# Altium PCB QO100-ADF4351-Ferq-FR4-1.6_V2.61.PcbDoc (part 1 of 2)
Units mm, origin at the board's own origin, x right, y up, seen from the top; angles counter-clockwise.
Board outline 92.08 x 41.15 mm, 2 copper layers (Top Layer, Bottom Layer); 118 components, 37 nets, 354 pads, 687 vias.
Unrouted connection lines stored in the file: 3.
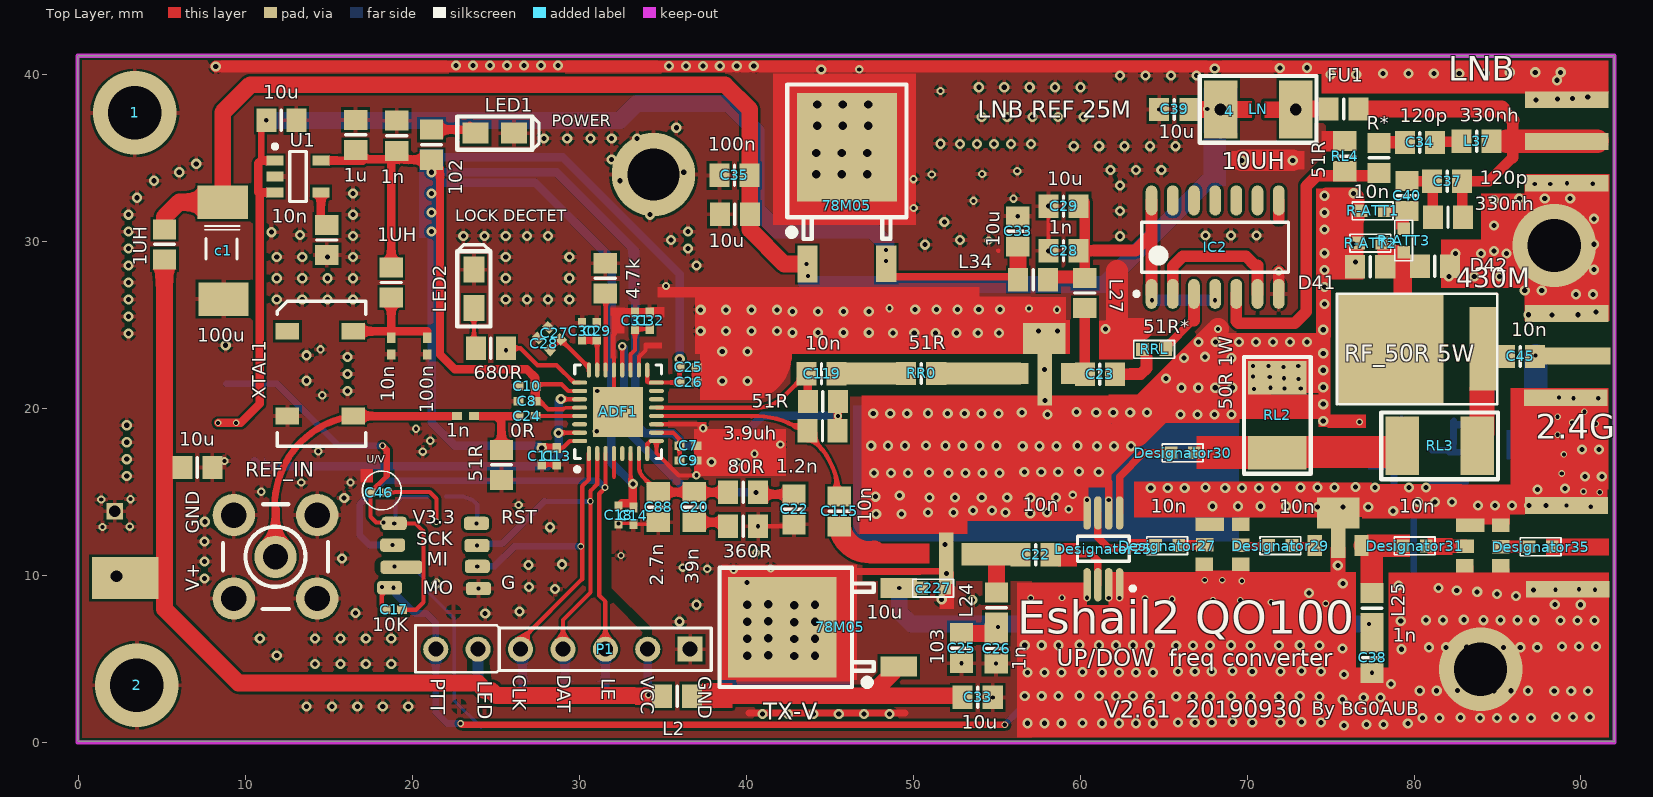
[diagram p0: Top Layer view]
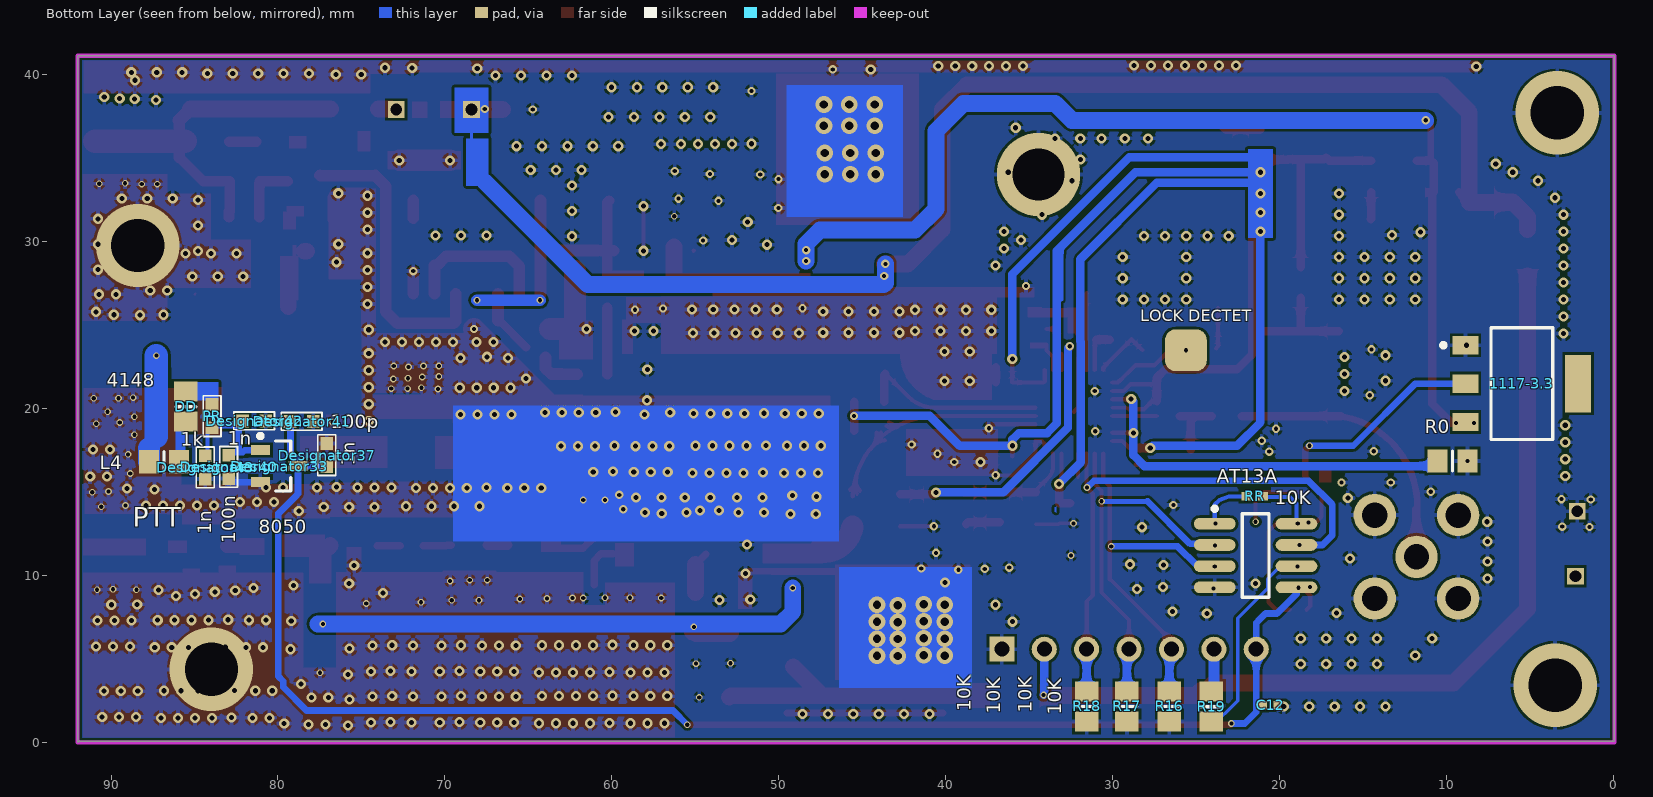
[diagram p1: Bottom Layer view, seen from below]

## Layer stack, top to bottom
Top Layer: signal copper 0.0356
Dielectric: dielectric 0.32, FR-4, Dk 4.8
Bottom Layer: signal copper 0.0356

## Board outline
-0.075,41.148 -0.075,0.077 91.931,0.077 92.008,0 92.008,41.148

## Design rules (kind name [scope] priority, off if disabled: settings)
Clearance [All] p1: gap=0.152
FanoutControl [InNet('GND')] p1: bgadir=Out bgaviamode=Centered fanoutstyle=Auto fanoutdirection=Alternating viagrid=0.025
FanoutControl Fanout_BGA [IsBGA] p2: bgadir=Out bgaviamode=Centered fanoutstyle=Auto fanoutdirection=Alternating viagrid=0.025 // Fanout_BGA (Default Rule)
FanoutControl Fanout_LCC [IsLCC] p3: bgadir=Out bgaviamode=Centered fanoutstyle=Auto fanoutdirection=Alternating viagrid=0.025 // Fanout_LCC (Default Rule)
FanoutControl Fanout_SOIC [IsSOIC] p4: bgadir=Out bgaviamode=Centered fanoutstyle=Auto fanoutdirection=Alternating viagrid=0.025 // Fanout_SOIC (Default Rule)
FanoutControl Fanout_Small [(CompPinCount < 5)] p5: bgadir=Out bgaviamode=Centered fanoutstyle=Auto fanoutdirection=OutThenIn viagrid=0.025 // Fanout_Small (Default Rule)
FanoutControl Fanout_Default [All] p6: bgadir=Out bgaviamode=Centered fanoutstyle=Auto fanoutdirection=Alternating viagrid=0.025 // Fanout_Default (Default Rule)
HoleSize [All] p1: absolutevalues=TRUE maxlimit=5.08 minlimit=0.025 maxpercent=80.000 minpercent=20.000
HoleToHoleClearance [All] p1 off: gap=0.254 allowstackedmicrovias=TRUE
LayerPairs [All] p1 off: enforce=TRUE
MinimumSolderMaskSliver [All] p1 off: minsoldermaskwidth=0.254
NetAntennae [All] p1 off: netantennaetolerance=0
PlaneClearance [All] p1: clearance=0.203
PlaneConnect [All] p1: planeconnectstyle=Relief reliefexpansion=0.152 reliefentries=4 reliefconductorwidth=0.127 reliefairgap=0.152
PolygonConnect [All] p1: connectstyle=Relief reliefconductorwidth=0.254 reliefentries=4 polygonreliefangle="90 Angle"
RoutingVias [All] p1: holewidth=0.254 width=0.508 viastyle="Through Hole" minholewidth=0.254 minwidth=0.508 maxholewidth=1.27 maxwidth=2.54
SilkToSilkClearance [All] p1 off: silktosilkclearance=0.254
SilkscreenOverComponentPads [IsPad] p1 off: minsilkscreentomaskgap=0.254
SolderMaskExpansion [All] p1: expansion=0.102
Width D2V5 [InNet('D2V5')] p1 off: maxlimit=1.524 minlimit=0.381 preferedwidth=0.508
Width D1V2 [InNet('D1V2')] p2 off: maxlimit=1.524 minlimit=0.381 preferedwidth=0.508
Width D3V3 [InNet('D3V3')] p3 off: maxlimit=1.524 minlimit=0.381 preferedwidth=0.508
Width GND [InNet('GND')] p4 off: maxlimit=1.524 minlimit=0.381 preferedwidth=0.508
Width [All] p5: maxlimit=1.524 minlimit=0.152 preferedwidth=0.152
14 further rules are at their usual default settings.

## Classes and differential pairs
component class pll_SW: 1 1n 1UH 1uh 2 3 4 4.7k 10n 51R 80r 100n 102 360R 680R ADF1 c1 C7 C8 C9 C10 C11 C13 C14 C22 C24 C25 C26 C27 C28 C29 C31 C32 C88 C115 L2 led1 LED2 P1 R0 R16 R17 R18 REF_IN RR0 U1 XTAL1

## Components (designator, comment, footprint, x,y, rotation, side; value= is the part's Value field where it differs from the comment)
1 "螺丝孔" 固定过孔 3.354,37.719 r90 top
1n "Cap" "0402 - duplicate"#1 23.166,19.558 r0 top (schematic designator C23)
1n "RES" 6-0805_N 19.058,36.352 r270 top (schematic designator R19)
1u "RES" 6-0805_N 16.583,36.402 r270 top (schematic designator R19)
1UH "Inductor" 6-0805_N 5.132,29.845 r270 top (schematic designator L1)
1UH "磁珠" 6-0805_N 18.721,27.559 r90 top (schematic designator L3)
2 "螺丝孔" 固定过孔 3.481,3.429 r90 top
3 "螺丝孔" 固定过孔 78.43,-42.298 r90 top
3.9uh "22nh" 6-0805_N 44.558,18.677 r180 top (schematic designator R19)
4 "螺丝孔" 固定过孔 68.924,37.808 r90 top
4.7k "RES" 6-0805_N 31.548,27.813 r90 top (schematic designator R2)
10n "Cap" "0402 - duplicate"#1 18.721,23.749 r90 top (schematic designator C15)
10n "RES" 6-0805_N 14.858,30.102 r90 top (schematic designator R19)
10u "RES" 6-0805_N 7.1,16.475 r0 top (schematic designator R19)
10u "RES" 6-0805_N 39.308,31.652 r180 top (schematic designator R19)
10u "RES" 6-0805_N 12.133,37.277 r0 top (schematic designator R19)
51R "RES" 6-0805_N 25.325,16.637 r90 top (schematic designator R9)
51R "51R" 6-0805_N 44.583,20.427 r180 top (schematic designator R19)
78M05 "78M05" LC-TO-252-2 49.133,6.902 r0 top
78M05 "78M05" LC-TO-252-2 46.017,28.671 r270 top
80R "RES" 6-0805_N 39.803,14.986 r180 top (schematic designator R3)
100n "Cap" "0402 - duplicate"#1 20.88,23.749 r90 top (schematic designator C16)
102 "RES" 6-0805_N 21.134,35.814 r270 top (schematic designator R1)
330nh "RES" 6-0805_N 82.033,31.477 r0 top (schematic designator R19)
360R "RES" 6-0805_N 39.803,12.954 r180 top (schematic designator R8)
680R "RES" 6-0805_N 24.69,23.622 r180 top (schematic designator R10)
1117-3.3 "Comment" SOT223 5.475,21.5 r270 bottom
ADF1 "ADF4351" QFN32 32.437,19.812 r90 top locked
AT13A "Comment" SO8_M 21.425,11.2 r180 bottom
c1 "100u" 钽电容C 9.45,29.591 r270 top (schematic designator CAP1)
C7 "10pf" "0402 - duplicate"#1 36.501,17.78 r0 top
C8 "Cap" "0402 - duplicate"#2 26.849,20.447 r180 top
C9 "10n" "0402 - duplicate"#1 36.501,16.891 r0 top
C10 "10n" "0402 - duplicate"#2 26.849,21.336 r180 top
C11 "Cap" "0402 - duplicate"#1 27.738,17.145 r270 top
C12 "Cap" "0402 - duplicate"#1 20.55,2.225 r0 bottom (schematic designator C11)
C13 "Cap" "0402 - duplicate"#1 28.627,17.145 r270 top
C14 "10pf" "0402 - duplicate"#1 33.233,13.577 r90 top
C17 "10K" "0402 - duplicate"#2 18.875,7.95 r0 top (schematic designator C10)
C18 "10n" "0402 - duplicate"#1 32.333,13.627 r90 top (schematic designator C14)
C20 "39n" 6-0805_N 36.882,14.097 r270 top
C22 "1.2n" 6-0805_N 42.851,13.97 r270 top
C22 "10n" 6-0805_N 57.333,11.252 r0 top (schematic designator R19)
C23 "RES" 6-0805_N 61.174,22.063 r0 top (schematic designator R19)
C24 "0R" "0402 - duplicate"#1 26.849,19.558 r0 top
C25 "103" 6-0805_N 52.883,5.652 r90 top (schematic designator R19)
C25 "10pf" "0402 - duplicate"#1 36.501,22.479 r180 top
C26 "1n" 6-0805_N 54.958,5.627 r90 top (schematic designator R19)
C26 "10n" "0402 - duplicate"#1 36.501,21.59 r180 top
C27 "10n" "0402 - duplicate"#1 28.5,24.511 r315 top
C28 "1n" 6-0805_N 58.999,29.458 r0 top (schematic designator R19)
C28 "10pf" "0402 - duplicate"#1 27.865,23.876 r315 top
C29 "10u" 6-0805_N 58.999,32.133 r0 top (schematic designator R19)
C29 "10n" "0402 - duplicate"#1 31.04,24.638 r270 top
C30 "10pf" "0402 - duplicate"#1 30.151,24.638 r270 top
C31 "10pf" "0402 - duplicate"#1 33.326,25.273 r270 top
C32 "10n" "0402 - duplicate"#1 34.215,25.273 r270 top
C33 "10u" 6-0805_N 53.858,2.702 r180 top (schematic designator R19)
C33 "10u" 6-0805_N 56.258,30.627 r90 top (schematic designator R19)
C34 "120p" 6-0805_N 80.35,35.95 r0 top (schematic designator R19)
C35 "100n" 6-0805_N 39.283,33.977 r180 top (schematic designator R19)
C37 "120p" 6-0805_N 81.983,33.627 r180 top (schematic designator R19)
C38 "1n" 6-0805_N 77.483,5.077 r90 top (schematic designator R19)
C39 "10u" 6-0805_N 65.633,37.927 r0 top (schematic designator R19)
C40 "10n" 6-0805_N 79.575,32.75 r270 top (schematic designator R19)
C45 "10n" 6-0805_N 86.358,23.127 r0 top (schematic designator R19)
C46 "Cap" "0402 - duplicate"#2 17.975,14.975 r180 top (schematic designator C10)
C88 "2.7n" 6-0805_N 34.723,14.097 r270 top (schematic designator C18)
C115 "10n" 6-0805_N 45.558,13.852 r270 top (schematic designator R15)
C119 "10n" 6-0805_N 44.502,22.098 r0 top (schematic designator R19)
c227 "10u" 0603_C 51.183,9.252 r180 top
D41 "4148" 6-0805_N 77.375,28.5 r0 top (schematic designator R19)
D42 "4148" 6-0805_N 81.25,28.525 r0 top (schematic designator R19)
DD "4148" 6-0805_N 85.525,20.125 r90 bottom (schematic designator R2)
Designator25 "Comment" MSOP-8 61.383,11.602 r90 top
Designator27 "10n" 0603_C 65.208,11.802 r180 top
Designator29 "10n" 0603_C 71.984,11.802 r180 top
Designator30 "Comment" 0603_C 66.133,17.352 r0 top
Designator31 "10n" 0603_C 80.031,11.777 r180 top
Designator33 "8050" SOT-23B_N 79.928,16.563 r180 bottom
Designator35 "Comment" 0603_C 87.583,11.727 r180 top
Designator37 "1n" 0603_C 77.078,17.213 r270 bottom
Designator40 "100n" 0603_C 82.953,16.513 r90 bottom
Designator41 "100p" 0603_C 78.578,19.238 r180 bottom
Designator42 "1n" 0603_C 81.428,19.263 r180 bottom
Designator43 "1n" 0603_C 84.353,16.489 r90 bottom
FU1 "RES" 6-0805_N 75.783,37.952 r180 top (schematic designator R19)
IC2 "740AC4" SO-14 68.083,29.677 r90 top
L2 "Inductor" 6-0805_N 35.848,2.781 r180 top
L4 "1uh" 6-0805_N 86.828,16.813 r0 bottom (schematic designator L2)
L24 "12nh" 6-0805_N 54.983,8.077 r90 top (schematic designator R19)
L25 "12nh" 6-0805_N 77.483,8.052 r90 top (schematic designator R19)
L27 "22nh" 6-0805_N 60.274,26.933 r270 top (schematic designator R19)
L34 "1uh" 6-0805_N 57.183,27.727 r0 top (schematic designator R19)
L37 "330nh" 6-0805_N 83.75,36.025 r180 top (schematic designator R19)
LED1 "LED" LED0805 24.924,36.508 r0 top (schematic designator D1)
LED2 "LED" LED0805 23.674,27.178 r90 top (schematic designator D2)
LN "10UH" 1812-PPTC 70.658,37.927 r0 top
P1 "Header 5" HDR1X5 36.628,5.588 r180 top
PR "1k" 0603_C 83.95,19.552 r90 bottom
R0 "0R" 6-0805_N 9.628,16.866 r0 bottom
R16 "10K" 6-0805_N 26.595,2.159 r90 bottom
R17 "10K" 6-0805_N 29.135,2.159 r90 bottom
R18 "10K" 6-0805_N 31.548,2.159 r90 bottom
R19 "10K" 6-0805_N 24.075,2.15 r90 bottom (schematic designator R16)
R* "180R" 6-0805_N 77.9,35.025 r90 top (schematic designator R19)
R-ATT1 "R*62R" 0603_C 77.525,31.85 r0 top
R-ATT2 "R*62R" 0603_C 77.377,29.925 r180 top
R-ATT3 "R*240R" 0603_C 79.375,30.075 r90 top
REF_IN "SMA" "SMA Stand" 11.787,11.127 r90 top
RL2 "50R" 1812-PPTC 71.808,19.602 r270 top
RL3 "360R" 1812-PPTC 81.533,17.777 r0 top
RL4 "51R" 6-0805_N 75.85,35.125 r270 top (schematic designator R19)
RR "10K" "0402 - duplicate"#2 21.475,14.75 r0 bottom (schematic designator C10)
RR0 "51R" 6-0805_N 50.474,22.108 r0 top (schematic designator R19)
RRL "51R*" 0603_C 64.425,23.55 r0 top
U1 "TPS73433" SOT95P280X110-5N 13.133,33.909 r0 top
XTAL1 "40MHz" "LCC4 - duplicate" 12.498,24.638 r0 top

## Footprints (in the part's own frame and the unit in brackets; to place one, negate y for a bottom-side part, rotate by r counter-clockwise, add the part's x,y. Pads: shape width x height; smd on the part's side, far side on the other; paste and mask are expansions set on the pad)
6-0805_N [mm] "Chip Resistor, Body 2.0x1.2mm, IPC Medium Density"
  rect 1.2x1.4 smd: 1(-0.9,0) 2(0.9,0)
  silkscreen extent 0,-0.6 0,0.6, body extent -1.07,-0.7 1.07,0.7, height 0.7
"0402 - duplicate"#1 [mm] "Chip Capacitor, Body 1.0x0.5mm, IPC High Density"
  rect 0.6x0.5 smd: 1(-0.5,0) 2(0.5,0)
  body extent -0.55,-0.3 0.55,0.3, height 1.3
"0402 - duplicate"#2 [mm] "Chip Capacitor, Body 1.0x0.5mm, IPC High Density"
  rect 0.6x0.5 smd: 1(0.5,0) 2(-0.5,0)
  body extent -0.55,-0.3 0.55,0.3, height 1.3
0603_C [mil]
  rect 30x30 smd: 1(-27.5,0) 2(27.5,0)
  silkscreen extent -48,-21 48,21, body extent -35,-15 35,15, height 33
1812-PPTC [mm]
  rect 2x3.5 smd: 1(-2.25,0) 2(2.25,0)
  silkscreen extent -3.5,-2 3.5,2
HDR1X5 [mm] "Connector; Header; 5 Position"
  rect 1.5x1.5 hole 0.9: 1(0,0)
  round 1.5 hole 0.9: 2(2.54,0) 3(5.08,0) 4(7.62,0) 5(10.16,0)
  silkscreen extent -1.27,-1.27 11.43,1.27
LC-TO-252-2 [mm]
  rect 2.2x1.2 smd: 1(0,-2.361) 3(-0.004,2.361)
  rect 6.5x6 smd: 2(-7,0)
  silkscreen extent -10.75,-3.57 -1.5,3.57, body extent -9.74,-3.27 0.2,3.27, height 2.44
"LCC4 - duplicate" [mm]
  rect 1.4x1 smd: 1(0,0) 2(0,-5.08) 3(3.937,-5.08) 4(3.937,0)
  silkscreen extent -0.6,-6.88 4.7,1.8
LED0805 [mm]
  rect 1.55x1.25 smd: 1(-1.15,0) 2(1.15,0)
  silkscreen extent -2.25,-1 2.65,1
MSOP-8 [mm]
  oval 2x0.45 smd: 1(-2.15,0.975) 2(-2.15,0.325) 3(-2.15,-0.325) 4(-2.15,-0.975) 5(2.15,-0.975) 6(2.15,-0.325) 7(2.15,0.325) 8(2.15,0.975)
  silkscreen extent -2.5,-1.89 0.75,1.55, body extent -1.55,-1.55 1.55,1.55, height 1.1
QFN32 [mm]
  oval 0.9x0.25 smd: 1(-2.5,1.877) 2(-2.5,1.377) 3(-2.5,0.877) 4(-2.5,0.377) 5(-2.5,-0.123) 6(-2.5,-0.623) 7(-2.5,-1.123) 8(-2.5,-1.623) 17(2.5,-1.623) 18(2.5,-1.123) 19(2.5,-0.623) 20(2.5,-0.123) 21(2.5,0.377) 22(2.5,0.877) 23(2.5,1.377) 24(2.5,1.877)
  oval 0.25x0.9 smd: 9(-1.75,-2.173) 10(-1.25,-2.173) 11(-0.75,-2.173) 12(-0.25,-2.173) 13(0.25,-2.173) 14(0.75,-2.173) 15(1.25,-2.173) 16(1.75,-2.173) 25(1.75,2.427) 26(1.25,2.427) 27(0.75,2.427) 28(0.25,2.427) 29(-0.25,2.427) 30(-0.75,2.427) 31(-1.25,2.427) 32(-1.75,2.427)
  rect 3x3 smd: 33(0,0.127)
  silkscreen extent -3.57,-2.47 2.8,2.73, body extent -2.65,-2.32 2.65,2.58, height 1
"SMA Stand" [mm]
  round 2.54 hole 1.524: 1(0,0) 2(-2.5,-2.5) 2(-2.5,2.5) 2(2.5,-2.5) 2(2.5,2.5)
  silkscreen extent -3.12,-3.15 3.15,3.15
SO8_M [mm]
  oval 2.5x0.7 smd: 1(-2.45,1.905) 2(-2.45,0.635) 3(-2.45,-0.635) 4(-2.45,-1.905) 5(2.45,-1.905) 6(2.45,-0.635) 7(2.45,0.635) 8(2.45,1.905)
  silkscreen extent -2.58,-2.5 0.8,2.93
SO-14 [mm]
  oval 1.8x0.7 smd: 1(-2.8,3.81) 2(-2.8,2.54) 3(-2.8,1.27) 4(-2.8,0) 5(-2.8,-1.27) 6(-2.8,-2.54) 7(-2.8,-3.81) 8(2.8,-3.81) 9(2.8,-2.54) 10(2.8,-1.27) 11(2.8,0) 12(2.8,1.27) 13(2.8,2.54) 14(2.8,3.81)
  silkscreen extent -2.92,-4.4 1.5,4.83, body extent -2,-4.38 2,4.38, height 1.73
SOT95P280X110-5N [mm] "SOT23, 5-Leads, Body 2.90x2.80mm, Pitch 0.95mm, IPC Medium Density"
  rect 1x0.6 smd: 1(-1.375,0.95) 2(-1.375,0) 3(-1.375,-0.95) 4(1.375,-0.95) 5(1.375,0.95)
  silkscreen extent -1.5,-1.5 0.5,1.92, body extent -0.88,-1.5 0.87,1.5, height 1.1
SOT223 [mm] "SOT-22"
  rect 1.1x1.55 smd: 1(-2.3,-3.375) 2(0,-3.375) 3(2.3,-3.375)
  rect 3.45x1.55 smd: 4(0,3.375)
  silkscreen extent -3.35,-4.83 3.35,1.85, body extent -3.25,-3.47 3.25,3.49, height 1.66
SOT-23B_N [mm]
  rect 1.15x0.6 smd: 1(-1.125,0.95) 2(-1.125,-0.95) 3(1.125,0)
  silkscreen extent -1.25,-1.5 0.7,1.92, body extent -0.7,-1.5 0.7,1.5, height 1.14
固定过孔 [mm]
钽电容C [mm]
  rect 2x3 smd: 1(-2.775,-0.825) 2(3.025,-0.775)
  silkscreen extent -1.35,-1.9 0.62,0.18, body extent -3.5,-2.43 3.02,0.77, height 2.6

## Part data
1n 10n 100n C8 C11 C12 C13 C46: "Capacitor"
1UH L4: library part Inductor, "Inductor"
3.9uh 51R C22 C25 C26 C28 C29 C33 C33 C34 C35 C37 C38 C39 C40 C45 C115 C119 D41 D42 DD L24 L25 L27 L34 L37 R0 R16 R17 R18 R19 R* RL4 RR0: library part RES
C7 C9 C10 C14 C17 C18 C20 C22 C24 C25 C26 C27 C28 C29 C30 C31 C32 C88 RR: library part Cap, "Capacitor"
P1: "Header, 5-Pin"

## Free pads (board coordinates)
  rrect50% 1.5x0.8 smd: 0(23.825,13.125) 1(23.85,11.8) 2(23.875,10.55) 3(18.625,9.275) 5(18.8,11.825) 6(18.9,13.125) 7(23.95,9.225)
  rrect50% 2.5x2.5 smd far side: 0(25.6,23.5)
  rrect50% 0.8x0.8 smd: 0(65.125,23.675)
  rect 4x2.5 smd: 1(2.783,9.852)
  rect 3x1.336 smd: 1(47.499,22.108) 3(54.383,11.277)
  rect 6.3x6.6 smd: 1(78.608,23.577)
  rect 5x1.336 smd: 2(53.949,22.108)
  rect 1.6x5 smd: 2(84.108,23.602)
  round 1.5 hole 0.9: 3(21.388,5.588) 3(23.928,5.588)
  rect 5x1 smd: 3(89.133,14.202) 5(89.208,9.177) 6(89.158,25.702) 7(89.283,23.152) 8(89.083,20.652) 9(89.158,38.502) 10(89.158,36.002) 11(89.158,33.502)
  rrect50% 2.5x0.8 smd: 4(19.325,10.5)
  rect 2.54x1.85 on Top Solder: 5(52.075,13.825)
  rect 2.54x1.85 smd: 5(57.85,24.2) 5(75.45,13.75)
  rect 0.86x2 smd: 6(51.98,11.581) 6(57.874,22.358) 6(75.458,12.052)
  rect 0.86x1.27 smd: 6(51.983,10.127) 6(56.477,22.104) 6(57.874,20.834) 6(59.271,22.104) 6(74.061,11.798) 6(76.855,11.798)
  rect 1.7x0.81 smd: 8(67.758,13.083) 8(83.358,13.002)
  rect 1.05x0.81 smd: 9(67.433,10.683) 9(67.458,11.833) 9(69.608,10.683) 9(69.608,11.808) 9(69.608,13.083) 9(83.033,10.602) 9(83.058,11.752) 9(85.208,10.602) 9(85.208,11.727) 9(85.208,13.002)
  rect 1x1 hole 0.7: 12(68.408,37.927) 13(72.908,37.927) 16(2.258,9.952) 17(2.158,13.852)
  round 5 hole 3.1: 20(34.433,34.027)

## Via types
v1: diameter 0.61, hole 0.305, Top Layer to Bottom Layer, 509 vias
v2: diameter 0.4, hole 0.25, Top Layer to Bottom Layer, 84 vias
v3: diameter 0.5, hole 0.25, Top Layer to Bottom Layer, 54 vias
v4: diameter 1, hole 0.5, Top Layer to Bottom Layer, 28 vias
v5: diameter 0.6, hole 0.3, Top Layer to Bottom Layer, 7 vias
v6: diameter 5, hole 3.2, Top Layer to Bottom Layer, 4 vias
v7: diameter 0.508, hole 0.254, Top Layer to Bottom Layer, 1 vias

## Nets (pads, with @x,y where several pads share a name; then routed paths per layer and width w, separated by ;. In a path a pad name is that pad's centre, name@x,y a point inside that pad or via, vN(x,y) a via of type N, cw(c..) or ccw(c..) an arc to the next point about the centre after c; other vN are vias at no path point)
AVDD: 1n.2@19.058,35.452 1u.2 1UH.2@18.721,28.459 3.9uh.1 51R.1@45.483,20.427 102.2 ADF1.6 ADF1.10 ADF1.16 ADF1.17 ADF1.26 ADF1.28 ADF1.32 C7.1 C8.2 C9.1 C10.2 C11.1 C13.1 C14.2 C18.2 C25.2@36.001,22.479 C26.2@36.001,21.59 U1.5 | length 162.9
  Top Layer w0.2: 29.008,19.968 29.056,20.017 29.112,20.017 29.157,20.062 ADF1.28@30.01,20.062
  Top Layer w0.254: C8.2@27.349,20.447 27.64,20.447 28.119,19.968 29.008,19.968 ; C10.2@27.349,21.336 27.476,21.463 28.928,21.463 29.329,21.062 ADF1.26@30.01,21.062 ; C13.1@28.627,17.645 29,17.645 29.417,18.062 ADF1.32@30.01,18.062 ; ADF1.6@33.06,17.312 33.06,15.625 v1(33.199,15.486) ; ADF1.17@34.06,22.312 34.06,21.618 34.116,21.562 ADF1.16@34.61,21.562 35.973,21.562 C26.2@36.001,21.59 C25.2@36.001,22.479 v1(36.001,22.98) ; ADF1.10@34.61,18.562 35.6,18.562 35.993,18.169 ; v1(35.993,17.78) 35.993,18.169 ; 36.001,17.145 C7.1@36.001,17.78 36.001,18.161 35.993,18.169
  Top Layer w0.508: U1.5@14.508,34.859 17.009,34.859 17.197,35.047 17.311,34.933 1n.2@18.594,34.933 ; 1UH.2@18.721,28.459 18.721,34.806 1n.2@18.594,34.933 ; C8.2@27.349,20.447 C10.2@27.349,21.336 27.349,21.852 26.849,22.352 22.531,22.352 21.642,23.241 21.642,34.406 102.2@21.134,34.914 19.502,34.914 19.483,34.933 1n.2@18.594,34.933 ; v1(27.738,17.645) C13.1@28.627,17.645 ; C18.2@32.533,14.327 33.199,14.327 v1(33.199,15.486) ; 3.9uh.1@45.458,18.677 45.483,18.702 v3(45.483,19.564) 51R.1@45.483,20.427
  Bottom Layer w0.254: 33.072,26.543 33.072,29.718
  Bottom Layer w0.508: v1(21.134,30.607) 21.134,19.177 22.531,17.78 27.603,17.78 v1(27.738,17.645) ; v1(21.134,34.163) 28.627,34.163 33.072,29.718 33.326,29.464 33.326,19.137 33.921,18.542 35.612,18.542 35.993,18.161 v1(35.993,17.78) 39.161,17.78 40.945,19.564 v3(45.483,19.564) ; 21.261,33.655 21.388,33.528 27.357,33.528 31.929,28.956 31.929,24.048 31.9,24.019 31.9,16.785 v1(33.199,15.486) ; 21.261,35.052 29.008,35.052 36.001,28.059 v1(36.001,22.98)
  other v1: 21.134,31.75 21.134,32.893
DGND: ADF1.27 ADF1.31 R0.2 | length 24.4
  Top Layer w0.254: v1(28.747,18.535) 28.774,18.562 ADF1.31@30.01,18.562 ; v1(28.881,20.574) 28.893,20.562 ADF1.27@30.01,20.562
  Bottom Layer w0.508: R0.2@10.528,16.866 10.833,16.561 28.094,16.561 28.747,17.214 v1(28.747,18.535) 28.747,20.44 v1(28.881,20.574)